# Allegro board 038NC-GRIFFI-V9A_16_20260429.brd (continued)
## Placement (name value [footprint] x y rotation side) (continued)
UNK5SH32  SHORT  [DEFAULT_SHORT_SMALL]  214.91 483.17 0 top
UNK5SH33  SHORT  [DEFAULT_SHORT_SMALL]  217.12 483.17 0 top
UNK5SH34  SHORT  [DEFAULT_SHORT_SMALL]  219.32 483.17 0 top
UNK5SH35  SHORT  [DEFAULT_SHORT_SMALL]  80.81 269 270 top
UNK5SH36  SHORT  [DEFAULT_SHORT_SMALL]  79.84 268.98 270 top
UNK5SH37  SHORT  [DEFAULT_SHORT_SMALL]  97.98 270.34 270 top
UNK5SH38  SHORT  [DEFAULT_SHORT_SMALL]  99.12 270.34 270 top
UNK5SH39  SHORT  [DEFAULT_SHORT_SMALL]  230.34 483.17 0 top
UNK5SH40  SHORT  [DEFAULT_SHORT_SMALL]  74.38 330.96 270 top
UNK5SH41  SHORT  [DEFAULT_SHORT_SMALL]  81.77 330.96 270 top
UNK5TP_AVSS2/TST  TP01  [TP_040_T]  73.84 274.45 0 top
UNK5TP_GPIO0  TP01  [TP_040_T]  76.57 295.94 90 top
UNK5TP_GPIO1  TP01  [TP_040_T]  76.57 298.48 270 top
UNK5TP_GPIO2  TP01  [TP_040_T]  89.27 295.94 0 top
UNK5TP_GPIO3  TP01  [TP_040_T]  89.27 298.48 270 top
UNK5TP_GPIO4  TP01  [TP_040_T]  86.73 295.94 270 top
UNK5TP_LED0  TP01  [TP_040_T]  84.19 298.48 270 top
UNK5TP_LED1  TP01  [TP_040_T]  84.19 295.94 90 top
UNK5TP_LED2  TP01  [TP_040_T]  86.73 298.48 270 top
UNK5TP_LSIN1_F  TP01  [TP_040_T]  90.99 330.46 0 top
UNK5TP_LSIN1_G  TP01  [TP_040_T]  85.91 340.62 0 top
UNK5TP_LSIN1_S  TP01  [TP_040_T]  88.45 330.46 0 top
UNK5TP_LSIN2/NCHGEN_F  TP01  [TP_040_T]  90.99 335.54 0 top
UNK5TP_LSIN2/NCHGEN_G  TP01  [TP_040_T]  88.45 340.62 0 top
UNK5TP_LSIN2/NCHGEN_S  TP01  [TP_040_T]  88.45 335.54 0 top
UNK5TP_LSOUT1_F  TP01  [TP_040_T]  79.67 244.47 180 top
UNK5TP_LSOUT1_G  TP01  [TP_040_T]  83.37 340.62 0 top
UNK5TP_LSOUT1_S  TP01  [TP_040_T]  81.65 298.48 270 top
UNK5TP_LSOUT2/SUSPEND1_G  TP01  [TP_040_T]  90.99 340.62 0 top
UNK5TP_LSOUT2/SUSPEND1_S  TP01  [TP_040_T]  81.65 295.94 0 top
UNK5TP_LSOUT2/SUSPEND_F  TP01  [TP_040_T]  76.47 244.47 180 top
UNK5TP_NCHG/ATB0_F  TP01  [TP_040_T]  83.93 292.54 0 top
UNK5TP_NCHG/ATB0_G  TP01  [TP_040_T]  83.93 288.14 0 top
UNK5TP_NCHG/ATB0_S  TP01  [TP_040_T]  87.13 290.34 0 top
UNK5TP_NPG/ATB1_F  TP01  [TP_040_T]  76.47 292.54 0 top
UNK5TP_NPG/ATB1_G  TP01  [TP_040_T]  76.47 288.14 0 top
UNK5TP_NPG/ATB1_S  TP01  [TP_040_T]  79.67 292.54 0 top
UNK5TP_NTC  TP01  [TP_040_T]  91.4 307.08 180 top
UNK5TP_REF_5V  TP01  [TP_040_T]  102.06 284.94 180 top
UNK5TP_SCL  TP01  [TP_040_T]  76.47 330.46 0 top
UNK5TP_SDA  TP01  [TP_040_T]  79.67 330.46 0 top
UNK5TP_SHPHLD_F  TP01  [TP_040_T]  79.11 298.48 270 top
UNK5TP_SHPHLD_S  TP01  [TP_040_T]  79.11 295.94 90 top
UNK5TP_SW_F  TP01  [TP_040_T]  96.07 330.46 0 top
UNK5TP_SW_S  TP01  [TP_040_T]  93.53 330.46 0 top
UNK5TP_VBAT_F  TP01  [TP_040_T]  102.06 287.14 0 top
UNK5TP_VBAT_S  TP01  [TP_040_T]  98.86 287.14 0 top
UNK5TP_VBUS_F  TP01  [TP_040_T]  83.37 330.46 0 top
UNK5TP_VBUS_S  TP01  [TP_040_T]  85.91 330.46 0 top
UNK5TP_VDDIO_F  TP01  [TP_040_T]  98.61 335.54 0 top
UNK5TP_VDDIO_S  TP01  [TP_040_T]  70.43 486.88 0 top
UNK5TP_VEST  TP01  [TP_040_T]  73.28 269.26 0 top
UNK5TP_VOUT_F  TP01  [TP_040_T]  72.42 486.88 0 top
UNK5TP_VOUT_S  TP01  [TP_040_T]  98.61 330.46 0 top
UNK5TP_VSYS_F  TP01  [TP_040_T]  85.91 335.54 0 top
UNK5TP_VSYS_S  TP01  [TP_040_T]  83.37 335.54 0 top
UNK5U1  ADR4550BRZ-SOIC8  [SO8_195X127MM]  96.83 296.98 180 bottom
UNK6C1  1U-6.3-X7R-S6-MU  [C0603]  79.36 142.49 90 bottom
UNK6C2  2.2U-25-X8R-SA-TDK  [C1206]  95.84 178.21 180 bottom
UNK6C3  10U-6.3-X7R-S6-SS  [C0603]  91.92 177.36 270 bottom
UNK6C4  2.2U-25-X8R-SA-TDK  [C1206]  88.38 192.05 180 bottom
UNK6C5  2.2U-25-X8R-SA-TDK  [C1206]  82.68 192.05 0 bottom
UNK6C6  4.7U-6.3-X-S6  [C0603]  101.21 178.21 180 bottom
UNK6C7  0.1U-25-X7R-S6-YA  [C0603]  101.75 238.65 0 bottom
UNK6C8  1U-50-X7R-S6-TY  [C0603]  101.75 237.13 0 bottom
UNK6C9  0.1U-25-X7R-S6-YA  [C0603]  91.9 237.3 270 bottom
UNK6C12  2.2U-25-X8R-SA-TDK  [C1206]  86.98 142.89 90 bottom
UNK6CS1  CNC-S4  [C0402]  82.12 211.3 180 bottom
UNK6CS4  CNC-S4  [C0402]  82.12 206.86 0 bottom
UNK6CS5  CNC-S4  [C0402]  82.12 205.38 0 bottom
UNK6CS19  CNC-S4  [C0402]  95.85 206.81 0 bottom
UNK6CS20  CNC-S4  [C0402]  95.85 208.29 0 bottom
UNK6CS21  CNC-S4  [C0402]  95.85 209.77 0 bottom
UNK6CS22  CNC-S4  [C0402]  94.91 214.28 90 bottom
UNK6CS23  CNC-S4  [C0402]  93.43 214.28 90 bottom
UNK6CS25  CNC-S4  [C0402]  88.99 214.28 90 bottom
UNK6CS26  CNC-S4  [C0402]  87.5 214.28 270 bottom
UNK6CS27  CNC-S4  [C0402]  86.02 214.28 270 bottom
UNK6CS28  CNC-S4  [C0402]  84.54 214.28 90 bottom
UNK6K1  UA2-12NJ-V2  [RL_NECUA2_12V_V2]  92.99 185.33 90 bottom
UNK6K2  UA2-12NJ-V2  [RL_NECUA2_12V_V2]  85.53 185.33 90 bottom
UNK6K3  UA2-12NJ-V2  [RL_NECUA2_12V_V2]  76.66 207.46 270 bottom
UNK6K4  UA2-12NJ-V2  [RL_NECUA2_12V_V2]  85.53 169.7 90 bottom
UNK6K5  UA2-12NJ-V2  [RL_NECUA2_12V_V2]  78.07 169.7 90 bottom
UNK6K6  UA2-12NJ-V2  [RL_NECUA2_12V_V2]  92.99 169.3 270 bottom
UNK6K7  UA2-12NJ-V2  [RL_NECUA2_12V_V2]  100.46 169.7 90 bottom
UNK6K8  UA2-12NJ-V2  [RL_NECUA2_12V_V2]  78.07 185.33 90 bottom
UNK6K9  UA2-12NJ-V2  [RL_NECUA2_12V_V2]  100.46 142.72 270 bottom
UNK6K10  UA2-12NJ-V2  [RL_NECUA2_12V_V2]  100.46 185.33 90 bottom
UNK6K11  UA2-12NJ-V2  [RL_NECUA2_12V_V2]  92.99 229.98 90 bottom
UNK6K12  UA2-12NJ-V2  [RL_NECUA2_12V_V2]  100.46 229.98 90 bottom
UNK6K13  UA2-12NJ-V2  [RL_NECUA2_12V_V2]  78.07 229.58 270 bottom
UNK6K14  UA2-12NJ-V2  [RL_NECUA2_12V_V2]  85.53 229.58 270 bottom
UNK6R1  4.7K-1-S4-WA  [R0402]  76.51 201.49 180 bottom
UNK6R2  3.01K-0.1-S4-PAN  [R0402]  81.8 166.2 90 bottom
UNK6R3  10K-0.1-S4  [R0402]  89.26 172.8 270 bottom
UNK6R7  1K-1-S4  [R0402]  101.78 149.43 0 bottom
UNK6R8  1K-1-S4  [R0402]  99.14 149.43 180 bottom
UNK6R13  0-5-S4  [R0402]  181.87 484.56 0 top
UNK6R14  0-5-S4  [R0402]  184.07 484.56 0 top
UNK6R41  24K-0.1-S4  [R0402]  104.26 166.2 90 bottom
UNK6R42  44.2K-0.1-S4-PAN  [R0402]  104.26 168.4 90 bottom
UNK6RS1  0-5-S4  [R0402]  82.12 208.34 0 bottom
UNK6RS2  NC/0-5-S4  [R0402]  90.47 214.28 270 bottom
UNK6RS3  NC/0-5-S4  [R0402]  82.12 209.82 0 bottom
UNK6RS4  0-5-S4  [R0402]  91.95 214.28 270 bottom
UNK6RS5  0-5-S4  [R0402]  90.96 216.2 0 bottom
UNK6SH2  SHORT  [DEFAULT_SHORT_SMALL]  245.76 483.17 0 top
UNK6SH7  SHORT  [DEFAULT_SHORT_SMALL]  10.02 484.64 0 top
UNK6SH9  SHORT  [DEFAULT_SHORT_SMALL]  12.22 484.64 0 top
UNK6SH14  SHORT  [DEFAULT_SHORT_SMALL]  241.35 483.17 0 top
UNK6SH16  SHORT  [DEFAULT_SHORT_SMALL]  243.55 483.17 0 top
UNK6SH20  SHORT  [DEFAULT_SHORT_SMALL]  68.73 475.82 0 top
UNK6SH29  SHORT  [DEFAULT_SHORT_SMALL]  250.16 483.17 0 top
UNK6SH30  SHORT  [DEFAULT_SHORT_SMALL]  252.37 483.17 0 top
UNK6SH32  SHORT  [DEFAULT_SHORT_SMALL]  254.57 483.17 0 top
UNK6SH33  SHORT  [DEFAULT_SHORT_SMALL]  256.77 483.17 0 top
UNK6SH34  SHORT  [DEFAULT_SHORT_SMALL]  258.98 483.17 0 top
UNK6SH35  SHORT  [DEFAULT_SHORT_SMALL]  80.08 203.09 90 top
UNK6SH36  SHORT  [DEFAULT_SHORT_SMALL]  80.86 203.11 90 top
UNK6SH37  SHORT  [DEFAULT_SHORT_SMALL]  98.39 204.25 90 top
UNK6SH38  SHORT  [DEFAULT_SHORT_SMALL]  97.41 204.22 90 top
UNK6SH39  SHORT  [DEFAULT_SHORT_SMALL]  3.41 484.64 0 top
UNK6SH40  SHORT  [DEFAULT_SHORT_SMALL]  104.15 144.02 90 top
UNK6SH41  SHORT  [DEFAULT_SHORT_SMALL]  96.76 144.02 90 top
UNK6TP_AVSS2/TST  TP01  [TP_040_T]  73.84 214.45 0 top
UNK6TP_GPIO0  TP01  [TP_040_T]  89.17 178.59 270 top
UNK6TP_GPIO1  TP01  [TP_040_T]  89.17 176.05 90 top
UNK6TP_GPIO2  TP01  [TP_040_T]  76.47 178.59 180 top
UNK6TP_GPIO3  TP01  [TP_040_T]  76.47 176.05 90 top
UNK6TP_GPIO4  TP01  [TP_040_T]  79.01 178.59 90 top
UNK6TP_LED0  TP01  [TP_040_T]  81.55 176.05 90 top
UNK6TP_LED1  TP01  [TP_040_T]  81.55 178.59 270 top
UNK6TP_LED2  TP01  [TP_040_T]  79.01 176.05 90 top
UNK6TP_LSIN1_F  TP01  [TP_040_T]  86.98 146.72 180 top
UNK6TP_LSIN1_G  TP01  [TP_040_T]  86.98 136.56 0 top
UNK6TP_LSIN1_S  TP01  [TP_040_T]  89.52 146.72 180 top
UNK6TP_LSIN2/NCHGEN_F  TP01  [TP_040_T]  86.98 141.64 180 top
UNK6TP_LSIN2/NCHGEN_G  TP01  [TP_040_T]  94.6 136.56 0 top
UNK6TP_LSIN2/NCHGEN_S  TP01  [TP_040_T]  89.52 141.64 180 top
UNK6TP_LSOUT1_F  TP01  [TP_040_T]  78.33 488.43 0 top
UNK6TP_LSOUT1_G  TP01  [TP_040_T]  89.52 136.56 0 top
UNK6TP_LSOUT1_S  TP01  [TP_040_T]  84.09 176.05 90 top
UNK6TP_LSOUT2/SUSPEND1_G  TP01  [TP_040_T]  92.06 136.56 0 top
UNK6TP_LSOUT2/SUSPEND1_S  TP01  [TP_040_T]  84.09 178.59 180 top
UNK6TP_LSOUT2/SUSPEND_F  TP01  [TP_040_T]  84.3 486.88 0 top
UNK6TP_NCHG/ATB0_F  TP01  [TP_040_T]  83.93 233.58 0 top
UNK6TP_NCHG/ATB0_G  TP01  [TP_040_T]  83.93 229.18 0 top
UNK6TP_NCHG/ATB0_S  TP01  [TP_040_T]  87.13 231.38 0 top
UNK6TP_NPG/ATB1_F  TP01  [TP_040_T]  76.47 233.58 0 top
UNK6TP_NPG/ATB1_G  TP01  [TP_040_T]  76.47 229.18 0 top
UNK6TP_NPG/ATB1_S  TP01  [TP_040_T]  79.67 233.58 0 top
UNK6TP_NTC  TP01  [TP_040_T]  87.13 167.9 0 top
UNK6TP_REF_5V  TP01  [TP_040_T]  86.28 486.88 0 top
UNK6TP_SCL  TP01  [TP_040_T]  102.06 144.52 180 top
UNK6TP_SDA  TP01  [TP_040_T]  98.86 144.52 180 top
UNK6TP_SHPHLD_F  TP01  [TP_040_T]  86.63 176.05 90 top
UNK6TP_SHPHLD_S  TP01  [TP_040_T]  86.63 178.59 270 top
UNK6TP_SW_F  TP01  [TP_040_T]  81.9 146.72 180 top
UNK6TP_SW_S  TP01  [TP_040_T]  84.44 146.72 180 top
UNK6TP_VBAT_F  TP01  [TP_040_T]  102.06 228.18 0 top
UNK6TP_VBAT_S  TP01  [TP_040_T]  98.86 228.18 0 top
UNK6TP_VBUS_F  TP01  [TP_040_T]  94.6 146.72 180 top
UNK6TP_VBUS_S  TP01  [TP_040_T]  92.06 146.72 180 top
UNK6TP_VDDIO_F  TP01  [TP_040_T]  79.36 141.64 180 top
UNK6TP_VDDIO_S  TP01  [TP_040_T]  76.82 141.64 180 top
UNK6TP_VEST  TP01  [TP_040_T]  73.28 209.26 0 top
UNK6TP_VOUT_F  TP01  [TP_040_T]  76.82 146.72 180 top
UNK6TP_VOUT_S  TP01  [TP_040_T]  79.36 146.72 180 top
UNK6TP_VSYS_F  TP01  [TP_040_T]  92.06 141.64 180 top
UNK6TP_VSYS_S  TP01  [TP_040_T]  94.6 141.64 180 top
UNK6U1  ADR4550BRZ-SOIC8  [SO8_195X127MM]  96.32 238.02 180 bottom
UNK7C1  1U-6.3-X7R-S6-MU  [C0603]  128.61 334.69 270 bottom
UNK7C2  2.2U-25-X8R-SA-TDK  [C1206]  119.52 237.92 90 bottom
UNK7C3  10U-6.3-X7R-S6-SS  [C0603]  117.13 238.61 270 bottom
UNK7C4  2.2U-25-X8R-SA-TDK  [C1206]  109.67 237.92 90 bottom
UNK7C5  2.2U-25-X8R-SA-TDK  [C1206]  106.47 237.92 270 bottom
UNK7C6  4.7U-6.3-X-S6  [C0603]  134.26 241.42 270 bottom
UNK7C7  0.1U-25-X7R-S6-YA  [C0603]  132.25 297.61 0 bottom
UNK7C8  1U-50-X7R-S6-TY  [C0603]  132.25 296.09 0 bottom
UNK7C9  0.1U-25-X7R-S6-YA  [C0603]  122.41 296.26 270 bottom
UNK7C12  2.2U-25-X8R-SA-TDK  [C1206]  120.99 334.29 270 bottom
UNK7CS1  CNC-S4  [C0402]  112.12 271.3 180 bottom
UNK7CS4  CNC-S4  [C0402]  112.12 266.86 0 bottom
UNK7CS5  CNC-S4  [C0402]  112.12 265.38 0 bottom
UNK7CS19  CNC-S4  [C0402]  125.85 266.81 0 bottom
UNK7CS20  CNC-S4  [C0402]  125.85 268.29 0 bottom
UNK7CS21  CNC-S4  [C0402]  125.85 269.77 0 bottom
UNK7CS22  CNC-S4  [C0402]  124.91 274.28 90 bottom
UNK7CS23  CNC-S4  [C0402]  123.43 274.28 90 bottom
UNK7CS25  CNC-S4  [C0402]  118.99 274.28 90 bottom
UNK7CS26  CNC-S4  [C0402]  117.5 274.28 270 bottom
UNK7CS27  CNC-S4  [C0402]  116.02 274.28 270 bottom
UNK7CS28  CNC-S4  [C0402]  114.54 274.28 90 bottom
UNK7K1  UA2-12NJ-V2  [RL_NECUA2_12V_V2]  122.99 246.27 90 bottom
UNK7K2  UA2-12NJ-V2  [RL_NECUA2_12V_V2]  115.53 246.27 90 bottom
UNK7K3  UA2-12NJ-V2  [RL_NECUA2_12V_V2]  106.66 267.46 270 bottom
UNK7K4  UA2-12NJ-V2  [RL_NECUA2_12V_V2]  122.99 305.28 270 bottom
UNK7K5  UA2-12NJ-V2  [RL_NECUA2_12V_V2]  130.46 305.28 270 bottom
UNK7K6  UA2-12NJ-V2  [RL_NECUA2_12V_V2]  115.53 305.68 90 bottom
UNK7K7  UA2-12NJ-V2  [RL_NECUA2_12V_V2]  108.07 305.28 270 bottom
UNK7K8  UA2-12NJ-V2  [RL_NECUA2_12V_V2]  108.07 246.27 90 bottom
UNK7K9  UA2-12NJ-V2  [RL_NECUA2_12V_V2]  108.07 332.26 90 bottom
UNK7K10  UA2-12NJ-V2  [RL_NECUA2_12V_V2]  122.99 288.94 90 bottom
UNK7K11  UA2-12NJ-V2  [RL_NECUA2_12V_V2]  130.46 246.27 90 bottom
UNK7K12  UA2-12NJ-V2  [RL_NECUA2_12V_V2]  130.46 288.94 90 bottom
UNK7K13  UA2-12NJ-V2  [RL_NECUA2_12V_V2]  108.07 288.54 270 bottom
UNK7K14  UA2-12NJ-V2  [RL_NECUA2_12V_V2]  115.53 288.54 270 bottom
UNK7R1  4.7K-1-S4-WA  [R0402]  106.51 261.49 180 bottom
UNK7R2  3.01K-0.1-S4-PAN  [R0402]  126.73 308.78 270 bottom
UNK7R3  10K-0.1-S4  [R0402]  119.26 301.18 270 bottom
UNK7R7  1K-1-S4  [R0402]  106.75 325.55 180 bottom
UNK7R8  1K-1-S4  [R0402]  109.39 325.55 0 bottom
UNK7R13  0-5-S4  [R0402]  186.27 484.56 0 top
UNK7R14  0-5-S4  [R0402]  188.47 484.56 0 top
UNK7R41  24K-0.1-S4  [R0402]  104.26 308.78 270 bottom
UNK7R42  44.2K-0.1-S4-PAN  [R0402]  104.26 306.58 270 bottom
UNK7RS1  0-5-S4  [R0402]  112.12 268.34 0 bottom
UNK7RS2  NC/0-5-S4  [R0402]  120.47 274.28 270 bottom
UNK7RS3  NC/0-5-S4  [R0402]  112.12 269.82 0 bottom
UNK7RS4  0-5-S4  [R0402]  121.95 274.28 270 bottom
UNK7RS5  0-5-S4  [R0402]  120.96 276.2 0 bottom
UNK7SH2  SHORT  [DEFAULT_SHORT_SMALL]  18.83 484.64 0 top
UNK7SH7  SHORT  [DEFAULT_SHORT_SMALL]  49.67 484.64 0 top
UNK7SH9  SHORT  [DEFAULT_SHORT_SMALL]  51.88 484.64 0 top
UNK7SH14  SHORT  [DEFAULT_SHORT_SMALL]  14.42 484.64 0 top
UNK7SH16  SHORT  [DEFAULT_SHORT_SMALL]  16.63 484.64 0 top
UNK7SH20  SHORT  [DEFAULT_SHORT_SMALL]  21.03 484.64 0 top
UNK7SH29  SHORT  [DEFAULT_SHORT_SMALL]  23.24 484.64 0 top
UNK7SH30  SHORT  [DEFAULT_SHORT_SMALL]  25.44 484.64 0 top
UNK7SH32  SHORT  [DEFAULT_SHORT_SMALL]  27.64 484.64 0 top
UNK7SH33  SHORT  [DEFAULT_SHORT_SMALL]  29.84 484.64 0 top
UNK7SH34  SHORT  [DEFAULT_SHORT_SMALL]  32.05 484.64 0 top
UNK7SH35  SHORT  [DEFAULT_SHORT_SMALL]  110.7 268.82 270 top
UNK7SH36  SHORT  [DEFAULT_SHORT_SMALL]  109.79 268.85 270 top
UNK7SH37  SHORT  [DEFAULT_SHORT_SMALL]  127.39 270.05 270 top
UNK7SH38  SHORT  [DEFAULT_SHORT_SMALL]  128.46 270.06 270 top
UNK7SH39  SHORT  [DEFAULT_SHORT_SMALL]  43.06 484.64 0 top
UNK7SH40  SHORT  [DEFAULT_SHORT_SMALL]  104.38 330.96 270 top
UNK7SH41  SHORT  [DEFAULT_SHORT_SMALL]  111.77 330.96 270 top
UNK7TP_AVSS2/TST  TP01  [TP_040_T]  103.84 274.45 0 top
UNK7TP_GPIO0  TP01  [TP_040_T]  106.57 295.94 90 top
UNK7TP_GPIO1  TP01  [TP_040_T]  106.57 298.48 270 top
UNK7TP_GPIO2  TP01  [TP_040_T]  119.27 295.94 0 top
UNK7TP_GPIO3  TP01  [TP_040_T]  119.27 298.48 270 top
UNK7TP_GPIO4  TP01  [TP_040_T]  116.73 295.94 270 top
UNK7TP_LED0  TP01  [TP_040_T]  114.19 298.48 270 top
UNK7TP_LED1  TP01  [TP_040_T]  114.19 295.94 90 top
UNK7TP_LED2  TP01  [TP_040_T]  116.73 298.48 270 top
UNK7TP_LSIN1_F  TP01  [TP_040_T]  120.99 330.46 0 top
UNK7TP_LSIN1_G  TP01  [TP_040_T]  115.91 340.62 0 top
UNK7TP_LSIN1_S  TP01  [TP_040_T]  118.45 330.46 0 top
UNK7TP_LSIN2/NCHGEN_F  TP01  [TP_040_T]  120.99 335.54 0 top
UNK7TP_LSIN2/NCHGEN_G  TP01  [TP_040_T]  118.45 340.62 0 top
UNK7TP_LSIN2/NCHGEN_S  TP01  [TP_040_T]  118.45 335.54 0 top
UNK7TP_LSOUT1_F  TP01  [TP_040_T]  109.67 244.47 180 top
UNK7TP_LSOUT1_G  TP01  [TP_040_T]  113.37 340.62 0 top
UNK7TP_LSOUT1_S  TP01  [TP_040_T]  111.65 298.48 270 top
UNK7TP_LSOUT2/SUSPEND1_G  TP01  [TP_040_T]  120.99 340.62 0 top
UNK7TP_LSOUT2/SUSPEND1_S  TP01  [TP_040_T]  111.65 295.94 0 top
UNK7TP_LSOUT2/SUSPEND_F  TP01  [TP_040_T]  106.47 244.47 180 top
UNK7TP_NCHG/ATB0_F  TP01  [TP_040_T]  113.93 292.54 0 top
UNK7TP_NCHG/ATB0_G  TP01  [TP_040_T]  113.93 288.14 0 top
UNK7TP_NCHG/ATB0_S  TP01  [TP_040_T]  117.13 290.34 0 top
UNK7TP_NPG/ATB1_F  TP01  [TP_040_T]  106.47 292.54 0 top
UNK7TP_NPG/ATB1_G  TP01  [TP_040_T]  106.47 288.14 0 top
UNK7TP_NPG/ATB1_S  TP01  [TP_040_T]  109.67 292.54 0 top
UNK7TP_NTC  TP01  [TP_040_T]  121.39 307.08 180 top
UNK7TP_REF_5V  TP01  [TP_040_T]  132.06 284.94 180 top
UNK7TP_SCL  TP01  [TP_040_T]  106.47 330.46 0 top
UNK7TP_SDA  TP01  [TP_040_T]  109.67 330.46 0 top
UNK7TP_SHPHLD_F  TP01  [TP_040_T]  109.11 298.48 270 top
UNK7TP_SHPHLD_S  TP01  [TP_040_T]  109.11 295.94 90 top
UNK7TP_SW_F  TP01  [TP_040_T]  126.07 330.46 0 top
UNK7TP_SW_S  TP01  [TP_040_T]  123.53 330.46 0 top
UNK7TP_VBAT_F  TP01  [TP_040_T]  132.06 287.14 0 top
UNK7TP_VBAT_S  TP01  [TP_040_T]  128.86 287.14 0 top
UNK7TP_VBUS_F  TP01  [TP_040_T]  113.37 330.46 0 top
UNK7TP_VBUS_S  TP01  [TP_040_T]  115.91 330.46 0 top
UNK7TP_VDDIO_F  TP01  [TP_040_T]  128.61 335.54 0 top
UNK7TP_VDDIO_S  TP01  [TP_040_T]  96.19 486.88 0 top
UNK7TP_VEST  TP01  [TP_040_T]  103.28 269.26 0 top
UNK7TP_VOUT_F  TP01  [TP_040_T]  98.17 486.88 0 top
UNK7TP_VOUT_S  TP01  [TP_040_T]  128.61 330.46 0 top
UNK7TP_VSYS_F  TP01  [TP_040_T]  115.91 335.54 0 top
UNK7TP_VSYS_S  TP01  [TP_040_T]  113.37 335.54 0 top
UNK7U1  ADR4550BRZ-SOIC8  [SO8_195X127MM]  126.83 296.98 180 bottom
UNK8C1  1U-6.3-X7R-S6-MU  [C0603]  109.36 142.49 90 bottom
UNK8C2  2.2U-25-X8R-SA-TDK  [C1206]  125.84 178.21 180 bottom
UNK8C3  10U-6.3-X7R-S6-SS  [C0603]  121.92 177.36 270 bottom
UNK8C4  2.2U-25-X8R-SA-TDK  [C1206]  118.38 192.05 180 bottom
UNK8C5  2.2U-25-X8R-SA-TDK  [C1206]  112.68 192.05 0 bottom
UNK8C6  4.7U-6.3-X-S6  [C0603]  131.21 178.21 180 bottom
UNK8C7  0.1U-25-X7R-S6-YA  [C0603]  131.75 238.65 0 bottom
UNK8C8  1U-50-X7R-S6-TY  [C0603]  131.75 237.13 0 bottom
UNK8C9  0.1U-25-X7R-S6-YA  [C0603]  121.9 237.3 270 bottom
UNK8C12  2.2U-25-X8R-SA-TDK  [C1206]  116.98 142.89 90 bottom
UNK8CS1  CNC-S4  [C0402]  112.12 211.3 180 bottom
UNK8CS4  CNC-S4  [C0402]  112.12 206.86 0 bottom
UNK8CS5  CNC-S4  [C0402]  112.12 205.38 0 bottom
UNK8CS19  CNC-S4  [C0402]  125.85 206.81 0 bottom
UNK8CS20  CNC-S4  [C0402]  125.85 208.29 0 bottom
UNK8CS21  CNC-S4  [C0402]  125.85 209.77 0 bottom
UNK8CS22  CNC-S4  [C0402]  124.91 214.28 90 bottom
UNK8CS23  CNC-S4  [C0402]  123.43 214.28 90 bottom
UNK8CS25  CNC-S4  [C0402]  118.99 214.28 90 bottom
UNK8CS26  CNC-S4  [C0402]  117.5 214.28 270 bottom
UNK8CS27  CNC-S4  [C0402]  116.02 214.28 270 bottom
UNK8CS28  CNC-S4  [C0402]  114.54 214.28 90 bottom
UNK8K1  UA2-12NJ-V2  [RL_NECUA2_12V_V2]  122.99 185.33 90 bottom
UNK8K2  UA2-12NJ-V2  [RL_NECUA2_12V_V2]  115.53 185.33 90 bottom
UNK8K3  UA2-12NJ-V2  [RL_NECUA2_12V_V2]  106.66 207.46 270 bottom
UNK8K4  UA2-12NJ-V2  [RL_NECUA2_12V_V2]  115.53 169.7 90 bottom
UNK8K5  UA2-12NJ-V2  [RL_NECUA2_12V_V2]  108.07 169.7 90 bottom
UNK8K6  UA2-12NJ-V2  [RL_NECUA2_12V_V2]  122.99 169.3 270 bottom
UNK8K7  UA2-12NJ-V2  [RL_NECUA2_12V_V2]  130.46 169.7 90 bottom
UNK8K8  UA2-12NJ-V2  [RL_NECUA2_12V_V2]  108.07 185.33 90 bottom
UNK8K9  UA2-12NJ-V2  [RL_NECUA2_12V_V2]  130.46 142.72 270 bottom
UNK8K10  UA2-12NJ-V2  [RL_NECUA2_12V_V2]  130.46 185.33 90 bottom
UNK8K11  UA2-12NJ-V2  [RL_NECUA2_12V_V2]  122.99 229.98 90 bottom
UNK8K12  UA2-12NJ-V2  [RL_NECUA2_12V_V2]  130.46 229.98 90 bottom
UNK8K13  UA2-12NJ-V2  [RL_NECUA2_12V_V2]  108.07 229.58 270 bottom
UNK8K14  UA2-12NJ-V2  [RL_NECUA2_12V_V2]  115.53 229.58 270 bottom
UNK8R1  4.7K-1-S4-WA  [R0402]  106.51 201.49 180 bottom
UNK8R2  3.01K-0.1-S4-PAN  [R0402]  111.8 166.2 90 bottom
UNK8R3  10K-0.1-S4  [R0402]  119.26 172.8 270 bottom
UNK8R7  1K-1-S4  [R0402]  131.78 149.43 0 bottom
UNK8R8  1K-1-S4  [R0402]  129.14 149.43 180 bottom
UNK8R13  0-5-S4  [R0402]  190.68 484.56 0 top
UNK8R14  0-5-S4  [R0402]  192.88 484.56 0 top
UNK8R41  24K-0.1-S4  [R0402]  134.26 166.2 90 bottom
UNK8R42  44.2K-0.1-S4-PAN  [R0402]  134.26 168.4 90 bottom
UNK8RS1  0-5-S4  [R0402]  112.12 208.34 0 bottom
UNK8RS2  NC/0-5-S4  [R0402]  120.47 214.28 270 bottom
UNK8RS3  NC/0-5-S4  [R0402]  112.12 209.82 0 bottom
UNK8RS4  0-5-S4  [R0402]  121.95 214.28 270 bottom
UNK8RS5  0-5-S4  [R0402]  120.96 216.2 0 bottom
UNK8SH2  SHORT  [DEFAULT_SHORT_SMALL]  58.49 484.64 0 top
UNK8SH7  SHORT  [DEFAULT_SHORT_SMALL]  89.33 484.64 0 top
UNK8SH9  SHORT  [DEFAULT_SHORT_SMALL]  91.53 484.64 0 top
UNK8SH14  SHORT  [DEFAULT_SHORT_SMALL]  54.08 484.64 0 top
UNK8SH16  SHORT  [DEFAULT_SHORT_SMALL]  56.28 484.64 0 top
UNK8SH20  SHORT  [DEFAULT_SHORT_SMALL]  60.69 484.64 0 top
UNK8SH29  SHORT  [DEFAULT_SHORT_SMALL]  62.89 484.64 0 top
UNK8SH30  SHORT  [DEFAULT_SHORT_SMALL]  65.1 484.64 0 top
UNK8SH32  SHORT  [DEFAULT_SHORT_SMALL]  67.3 484.64 0 top
UNK8SH33  SHORT  [DEFAULT_SHORT_SMALL]  69.5 484.64 0 top
UNK8SH34  SHORT  [DEFAULT_SHORT_SMALL]  71.71 484.64 0 top
UNK8SH35  SHORT  [DEFAULT_SHORT_SMALL]  110.05 203.27 90 top
UNK8SH36  SHORT  [DEFAULT_SHORT_SMALL]  110.84 203.26 90 top
UNK8SH37  SHORT  [DEFAULT_SHORT_SMALL]  128.67 204.81 90 top
UNK8SH38  SHORT  [DEFAULT_SHORT_SMALL]  127.55 204.83 90 top
UNK8SH39  SHORT  [DEFAULT_SHORT_SMALL]  82.72 484.64 0 top
UNK8SH40  SHORT  [DEFAULT_SHORT_SMALL]  134.15 144.02 90 top
UNK8SH41  SHORT  [DEFAULT_SHORT_SMALL]  126.76 144.02 90 top
UNK8TP_AVSS2/TST  TP01  [TP_040_T]  103.84 214.45 0 top
UNK8TP_GPIO0  TP01  [TP_040_T]  119.17 178.59 270 top
UNK8TP_GPIO1  TP01  [TP_040_T]  119.17 176.05 90 top
UNK8TP_GPIO2  TP01  [TP_040_T]  106.47 178.59 180 top
UNK8TP_GPIO3  TP01  [TP_040_T]  106.47 176.05 90 top
UNK8TP_GPIO4  TP01  [TP_040_T]  109.01 178.59 90 top
UNK8TP_LED0  TP01  [TP_040_T]  111.55 176.05 90 top
UNK8TP_LED1  TP01  [TP_040_T]  111.55 178.59 270 top
UNK8TP_LED2  TP01  [TP_040_T]  109.01 176.05 90 top
UNK8TP_LSIN1_F  TP01  [TP_040_T]  116.98 146.72 180 top
UNK8TP_LSIN1_G  TP01  [TP_040_T]  116.98 136.56 0 top
UNK8TP_LSIN1_S  TP01  [TP_040_T]  119.52 146.72 180 top
UNK8TP_LSIN2/NCHGEN_F  TP01  [TP_040_T]  116.98 141.64 180 top
UNK8TP_LSIN2/NCHGEN_G  TP01  [TP_040_T]  124.6 136.56 0 top
UNK8TP_LSIN2/NCHGEN_S  TP01  [TP_040_T]  119.52 141.64 180 top
UNK8TP_LSOUT1_F  TP01  [TP_040_T]  104.17 488.6 0 top
UNK8TP_LSOUT1_G  TP01  [TP_040_T]  119.52 136.56 0 top
UNK8TP_LSOUT1_S  TP01  [TP_040_T]  114.09 176.05 90 top
UNK8TP_LSOUT2/SUSPEND1_G  TP01  [TP_040_T]  122.06 136.56 0 top
UNK8TP_LSOUT2/SUSPEND1_S  TP01  [TP_040_T]  114.09 178.59 180 top
UNK8TP_LSOUT2/SUSPEND_F  TP01  [TP_040_T]  110.06 486.88 0 top
UNK8TP_NCHG/ATB0_F  TP01  [TP_040_T]  113.93 233.58 0 top
UNK8TP_NCHG/ATB0_G  TP01  [TP_040_T]  113.93 229.18 0 top
UNK8TP_NCHG/ATB0_S  TP01  [TP_040_T]  117.13 231.38 0 top
UNK8TP_NPG/ATB1_F  TP01  [TP_040_T]  106.47 233.58 0 top
UNK8TP_NPG/ATB1_G  TP01  [TP_040_T]  106.47 229.18 0 top
UNK8TP_NPG/ATB1_S  TP01  [TP_040_T]  109.67 233.58 0 top
UNK8TP_NTC  TP01  [TP_040_T]  117.13 167.9 0 top
UNK8TP_REF_5V  TP01  [TP_040_T]  112.04 486.88 0 top
UNK8TP_SCL  TP01  [TP_040_T]  132.06 144.52 180 top
UNK8TP_SDA  TP01  [TP_040_T]  128.86 144.52 180 top
UNK8TP_SHPHLD_F  TP01  [TP_040_T]  116.63 176.05 90 top
UNK8TP_SHPHLD_S  TP01  [TP_040_T]  116.63 178.59 270 top
UNK8TP_SW_F  TP01  [TP_040_T]  111.9 146.72 180 top
UNK8TP_SW_S  TP01  [TP_040_T]  114.44 146.72 180 top
UNK8TP_VBAT_F  TP01  [TP_040_T]  132.06 228.18 0 top
UNK8TP_VBAT_S  TP01  [TP_040_T]  128.86 228.18 0 top
UNK8TP_VBUS_F  TP01  [TP_040_T]  124.6 146.72 180 top
UNK8TP_VBUS_S  TP01  [TP_040_T]  122.06 146.72 180 top
UNK8TP_VDDIO_F  TP01  [TP_040_T]  109.36 141.64 180 top
UNK8TP_VDDIO_S  TP01  [TP_040_T]  106.82 141.64 180 top
UNK8TP_VEST  TP01  [TP_040_T]  103.28 209.26 0 top
UNK8TP_VOUT_F  TP01  [TP_040_T]  106.82 146.72 180 top
UNK8TP_VOUT_S  TP01  [TP_040_T]  109.36 146.72 180 top
UNK8TP_VSYS_F  TP01  [TP_040_T]  122.06 141.64 180 top
UNK8TP_VSYS_S  TP01  [TP_040_T]  124.6 141.64 180 top
UNK8U1  ADR4550BRZ-SOIC8  [SO8_195X127MM]  126.32 238.02 180 bottom
UNK9C1  1U-6.3-X7R-S6-MU  [C0603]  158.61 334.69 270 bottom
UNK9C2  2.2U-25-X8R-SA-TDK  [C1206]  149.52 237.92 90 bottom
UNK9C3  10U-6.3-X7R-S6-SS  [C0603]  147.13 238.61 270 bottom
UNK9C4  2.2U-25-X8R-SA-TDK  [C1206]  139.67 237.92 90 bottom
UNK9C5  2.2U-25-X8R-SA-TDK  [C1206]  136.47 237.92 270 bottom
UNK9C6  4.7U-6.3-X-S6  [C0603]  164.26 241.42 270 bottom
UNK9C7  0.1U-25-X7R-S6-YA  [C0603]  162.25 297.61 0 bottom
UNK9C8  1U-50-X7R-S6-TY  [C0603]  162.25 296.09 0 bottom
UNK9C9  0.1U-25-X7R-S6-YA  [C0603]  152.41 296.26 270 bottom
UNK9C12  2.2U-25-X8R-SA-TDK  [C1206]  150.99 334.29 270 bottom
UNK9CS1  CNC-S4  [C0402]  142.12 271.3 180 bottom
UNK9CS4  CNC-S4  [C0402]  142.12 266.86 0 bottom
UNK9CS5  CNC-S4  [C0402]  142.12 265.38 0 bottom
UNK9CS19  CNC-S4  [C0402]  155.85 266.81 0 bottom
UNK9CS20  CNC-S4  [C0402]  155.85 268.29 0 bottom
UNK9CS21  CNC-S4  [C0402]  155.85 269.77 0 bottom
UNK9CS22  CNC-S4  [C0402]  154.91 274.28 90 bottom
UNK9CS23  CNC-S4  [C0402]  153.43 274.28 90 bottom
UNK9CS25  CNC-S4  [C0402]  148.98 274.28 90 bottom
UNK9CS26  CNC-S4  [C0402]  147.5 274.28 270 bottom
UNK9CS27  CNC-S4  [C0402]  146.02 274.28 270 bottom
UNK9CS28  CNC-S4  [C0402]  144.54 274.28 90 bottom
UNK9K1  UA2-12NJ-V2  [RL_NECUA2_12V_V2]  152.99 246.27 90 bottom
UNK9K2  UA2-12NJ-V2  [RL_NECUA2_12V_V2]  145.53 246.27 90 bottom
UNK9K3  UA2-12NJ-V2  [RL_NECUA2_12V_V2]  136.66 267.46 270 bottom
UNK9K4  UA2-12NJ-V2  [RL_NECUA2_12V_V2]  152.99 305.28 270 bottom
UNK9K5  UA2-12NJ-V2  [RL_NECUA2_12V_V2]  160.46 305.28 270 bottom
UNK9K6  UA2-12NJ-V2  [RL_NECUA2_12V_V2]  145.53 305.68 90 bottom
UNK9K7  UA2-12NJ-V2  [RL_NECUA2_12V_V2]  138.07 305.28 270 bottom
UNK9K8  UA2-12NJ-V2  [RL_NECUA2_12V_V2]  138.07 246.27 90 bottom
UNK9K9  UA2-12NJ-V2  [RL_NECUA2_12V_V2]  138.07 332.26 90 bottom
UNK9K10  UA2-12NJ-V2  [RL_NECUA2_12V_V2]  152.99 288.94 90 bottom
UNK9K11  UA2-12NJ-V2  [RL_NECUA2_12V_V2]  160.46 246.27 90 bottom
UNK9K12  UA2-12NJ-V2  [RL_NECUA2_12V_V2]  160.46 288.94 90 bottom
UNK9K13  UA2-12NJ-V2  [RL_NECUA2_12V_V2]  138.07 288.54 270 bottom
UNK9K14  UA2-12NJ-V2  [RL_NECUA2_12V_V2]  145.53 288.54 270 bottom
UNK9R1  4.7K-1-S4-WA  [R0402]  136.51 261.49 180 bottom
UNK9R2  3.01K-0.1-S4-PAN  [R0402]  156.73 308.78 270 bottom
